# Altium PCB PCB1.PcbDoc (part 2 of 2)
Units mm, origin at the board's own origin, x right, y up, seen from the top; angles counter-clockwise.
Board outline 105 x 90 mm, 6 copper layers (SIG TOP, GND1, PWR, SIG, GND2, SIG BOT), stack 1.597 mm thick; 124 components, 105 nets, 563 pads, 434 vias.
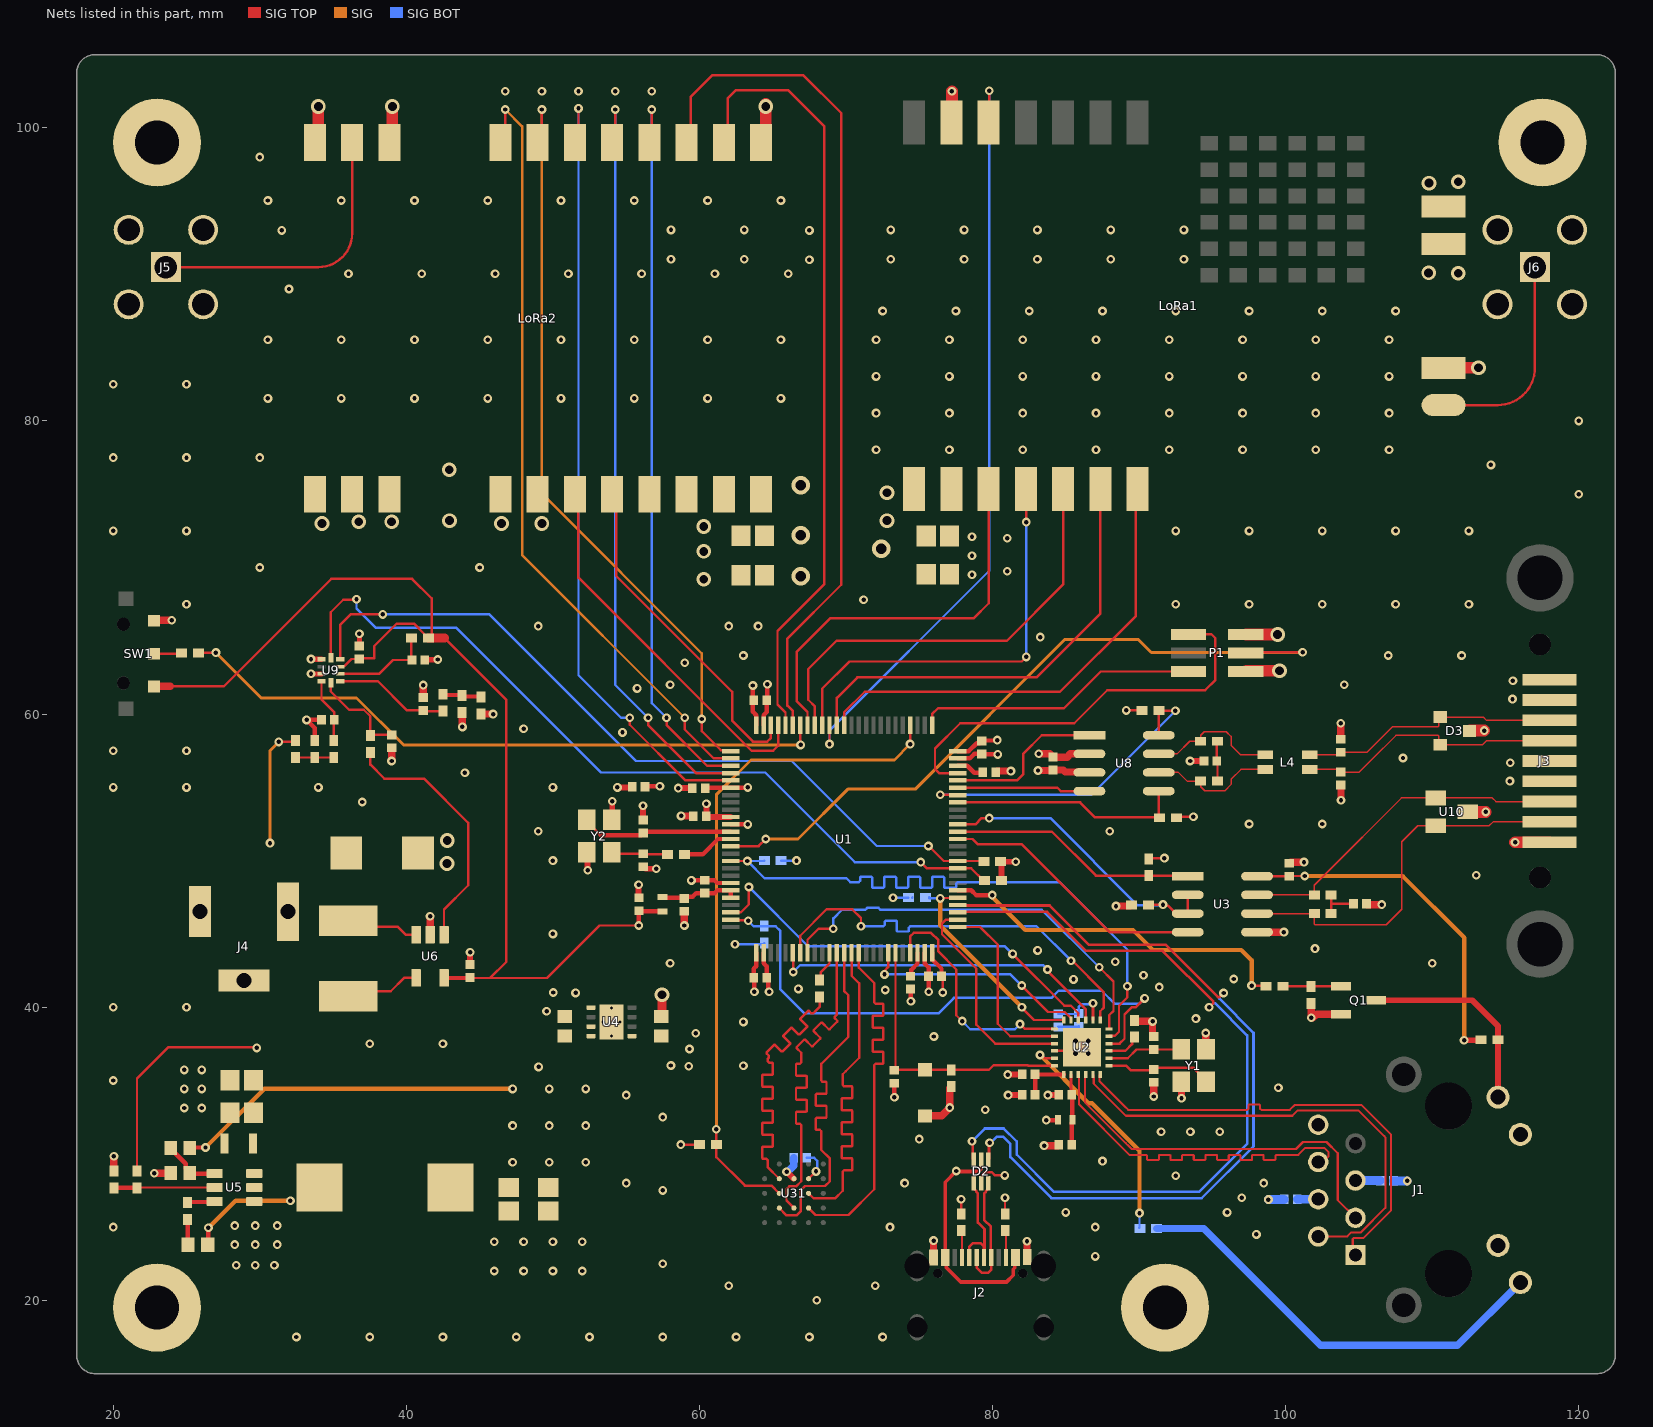
[diagram p6: the nets of this part, all layers, seen from the top]

## Via types
v1: diameter 0.6, hole 0.3, SIG TOP to SIG BOT, tented both sides, 385 vias
v2: diameter 1, hole 0.6, SIG TOP to SIG BOT, tented both sides, 25 vias
v3: diameter 0.6, hole 0.3, SIG TOP to SIG BOT, 12 vias
v4: diameter 1.27, hole 0.711, SIG TOP to SIG BOT, tented both sides, 4 vias
v5: diameter 0.625, hole 0.325, SIG TOP to SIG BOT, tented both sides, 4 vias
v6: diameter 0.5, hole 0.2, SIG TOP to SIG BOT, tented both sides, 4 vias

## Nets (pads, with @x,y where several pads share a name; then routed paths per layer and width w, separated by ;. In a path a pad name is that pad's centre, name@x,y a point inside that pad or via, vN(x,y) a via of type N, cw(c..) or ccw(c..) an arc to the next point about the centre after c; other vN are vias at no path point)
+3V3: C1.2 C2.2 C3.2 C4.2 C5.2 C6.2 C7.2 C11.2 C13.2 C14.2 C26.2 C34.2 C40.1 C44.1 C49.2 C50.2 D1.2 L1.1 L2.1 P1.2 R1.1 R2.1 R5.2 R7.2 R25.2 R31.2 R32.2 R33.2 R34.2 R35.2 R36.1 R38.2 SW1.3 U1.6 U1.11 U1.27 U1.50 U1.75 U1.100 U2.14 U3.8 U4.1 U6.5 U8.3 U9.8 U31.B4 | length 146.3
  SIG TOP w0.165: SW1.3@22.78,61.875 SW1.3@22.805,61.9 ; 23.9,61.9 27.55,61.9 34.875,69.225 40.4,69.225 41.725,67.9 41.725,65.408 R25.2@41.517,65.2 ; U9.8@35.488,63.24 35.53,63.283 35.783,63.283 36.26,63.76 C50.2@36.8,63.76 36.84,63.8 37.8,63.8 37.8,64.625 39.351,66.176 40.515,66.176 41.207,65.483 41.207,65.408 41.425,65.19 R25.2@41.5,65.19 ; 42.6,65.2 46.83,60.97 46.83,43.105 45.723,41.997 ; C34.2@44.35,42.035 44.39,41.995 49.595,41.995 53.175,45.575 v1(55.862,45.575) ; v1(58.725,30.625) R32.2@60,30.625 ; C5.2@60.39,54.95 C5.2@60.415,54.975 ; U31.B4@67.45,28.3 v1(67.95,28.8) ; C3.2@76.515,42.125 76.6,42.04 v1(76.6,41) ; v1(89.125,60.25) R38.2@90.2,60.25 ; R35.2@90.659,50.126 90.708,50.175 v1(91.725,50.175) ; R31.2@92.575,53 v1(93.7,53) ; U3.8@98.046,48.932 100.247,48.932 C40.1@100.25,48.935 100.265,48.95 v1(101.3,48.95) ; R36.1@113.3,37.75 R36.1@113.325,37.775
  SIG TOP w0.2: U2.14@86.85,39.127 v1(86.85,40.275)
  SIG TOP w0.3: U6.5@42.575,42 42.58,41.995 C34.2@44.35,41.995 ; v1(55.862,45.575) 55.862,46.573 C11.2@55.875,46.585 55.907,46.553 57.442,46.553 L1.1@57.475,46.52 ; C1.2@56.29,55.05 56.302,55.062 57.287,55.062 v1(57.3,55.075) ; C5.2@60.39,54.95 C5.2@60.42,54.92 ; C5.2@60.415,54.975 U1.6@62.125,54.975 63.275,54.975 v1(63.3,55) ; U1.11@62.125,52.475 v1(63.3,52.475) ; v1(63.65,61.95) 63.65,61.01 C7.2@63.71,60.95 63.65,60.89 63.65,60.15 63.875,59.925 U1.100@63.875,59.225 ; U1.27@64.375,43.725 64.375,43 64.59,42.785 C4.2@64.59,42 64.693,41.897 64.693,41.107 v1(64.75,41.05) ; U1.50@75.875,43.725 75.875,43.275 76.515,42.635 C3.2@76.515,42.125 ; U1.75@77.625,57.475 78.375,57.475 78.915,58.015 79.125,58.015 C6.2@79.275,58.165 79.305,58.195 80.295,58.195 v1(80.325,58.225) ; v1(83.658,32.3) 84.438,32.3 L2.1@84.455,32.317 ; P1.2@97.275,65.445 P1.2@97.285,65.435 ; v2@99.44,65.435 v2(99.45,65.425)
  SIG TOP w0.4: R34.2@80.55,49.95 R34.2@80.575,49.925 ; R33.2@80.6,48.65 80.6,49.9 R34.2@80.575,49.925 ; v1(81.575,49.925) R34.2@80.575,49.925 ; v1(112.175,37.75) R36.1@113.3,37.75
  SIG TOP w0.5: SW1.3@22.805,61.9 23.9,61.9 ; v1(58.75,53.05) C2.2@59.385,53.05 ; D1.2@75.383,32.582 75.402,32.6 76.525,32.6 v1(77.075,33.15) 77.075,34.473 R7.2@77.183,34.582 ; v1(83.1,56.15) 84.09,56.15 C44.1@84.125,56.185 84.815,56.185 84.955,56.045 86.581,56.045 U8.3@86.611,56.015
  SIG TOP w0.6: R25.2@41.517,65.2 42.6,65.2
  SIG TOP w0.8: P1.2@97.285,65.435 v2@99.44,65.435
  SIG w0.3: v1(101.3,48.95) 107.975,48.95 112.175,44.75 v1(112.175,37.75)
  SIG BOT w0.165: v1(62.425,44.3) 64.35,44.3 R1.1@64.425,44.375 ; R2.1@65.575,50 v1(66.625,50) ; C49.2@67.315,29.725 67.825,29.725 68.025,29.525 68.025,28.875 v1(67.95,28.8) ; v1(73.203,47.475) R5.2@74.247,47.475 ; R5.2@74.518,47.475 R5.2@74.535,47.492 ; C14.2@84.492,39.535 85.852,39.535 C13.2@85.892,39.575 85.892,40.042 86.042,40.192 86.767,40.192 v1(86.85,40.275)
  other v1: 59.275,35.975 58.05,36.025 59.325,37.15 59.75,38.225
+3V3A: C8.2 C12.2 L1.2 U1.20 U1.21 | length 5.4
  SIG TOP w0.3: L1.2@57.475,47.53 57.527,47.478 58.922,47.478 C12.2@58.975,47.425 59.089,47.539 59.534,47.539 59.78,47.785 C8.2@60.375,47.785 61.035,47.785 61.225,47.975 U1.20@62.125,47.975 U1.21@62.125,47.475
+3V3AN: C17.2 C18.2 L2.2 U2.2 | length 4.9
  SIG TOP w0.2: U2.2@85.35,35.407 85.35,34.067 C17.2@85.4,34.017
  SIG TOP w0.3: C18.2@85.4,30.617 85.4,32.127 85.465,32.192 L2.2@85.465,32.317 85.432,32.349 85.432,33.984 C17.2@85.4,34.017
+5V: C27.2 C32.2 C33.2 C45.2 C46.2 C47.2 C48.2 L3.2 LoRa1.2 LoRa2.9 LoRa2.10 R17.2 R23.1 U4.7 U4.8 | length 24.7
  SIG TOP w0.3: R17.2@25.225,30.4 25.25,30.425 v1(26.3,30.425) ; R23.1@45.1,60.002 R23.1@45.1,60.002 ; v1@45.924,60.001 v1(45.925,60) ; C47.2@77.125,69.5 C47.2@77.246,69.379
  SIG TOP w0.5: R23.1@45.1,60.002 v1@45.924,60.001
  SIG w0.3: v1(26.3,30.425) 30.3,34.425 v1(47.25,34.425)
  other v1: 47.25,29.425 49.75,29.425 52.25,29.425 47.25,31.925 49.75,31.925 52.25,31.925 49.75,34.425 52.25,34.425 49.025,35.925 78.6,69.5 78.6,70.8 78.6,72.1
  other v2: 60.3,69.2 60.3,71.1 60.3,72.8
ANT1: J6.1 LoRa1.11 | length 14.6
  SIG TOP w0.165: LoRa1.11@110.775,81.08 114.46,81.08 ccw(c114.46,83.62) 117,83.62 J6.1@117,90.5
ANT2: J5.1 LoRa2.21 | length 20.2
  SIG TOP w0.165: J5.1@23.6,90.5 34.01,90.5 ccw(c34.01,92.8) 36.31,92.8 LoRa2.21@36.31,99
B_CAP: C28.1 R14.1 | length 1.7
  SIG TOP w0.3: R14.1@25.075,25.525 25.075,23.825 C28.1@25.1,23.8
BOOT: R3.2 U1.94 | length 45
  SIG TOP w0.165: R3.2@25.825,64.175 25.842,64.192 v1(27.012,64.192) ; U1.94@66.875,59.225 66.887,59.213 66.887,57.913 v1(66.9,57.9)
  SIG w0.2: v1(27.012,64.192) 30.104,61.1 36.6,61.1 39.8,57.9 v1(66.9,57.9)
BS: R14.2 U5.6 | length 1.9
  SIG TOP w0.3: R14.2@25.075,26.675 25.113,26.712 26.888,26.712 U5.6@26.925,26.75
BUCK_EN: R16.1 R20.2 U5.5 | length 6.8
  SIG TOP w0.165: R16.1@21.625,27.675 21.65,27.7 U5.5@26.925,27.7
  SIG TOP w0.3: R20.2@20.125,27.675 R16.1@21.625,27.675
BUCK_FB: R17.1 R21.2 U5.4 | length 4
  SIG TOP w0.3: R17.1@23.925,30.4 23.925,30.35 24.95,29.325 24.95,28.975 R21.2@25.225,28.7 25.275,28.65 U5.4@26.925,28.65
BUCK_SW: C28.2 L3.1 U5.2 | length 7.5
  SIG TOP w0.3: C28.2@26.45,23.8 26.5,23.85 v1(26.5,24.95)
  SIG w0.3: v1(26.5,24.95) 28.35,26.8 v1(32.091,26.8)
CAN_D_N: C42.2 D3.2 J3.8 L4.3 | length 18.1
  SIG TOP w0.103: L4.3@101.65,56.225 103.565,56.225 C42.2@103.75,56.04 104.565,56.04 105.023,56.04 105.844,56.861 107.525,58.542 107.544,58.542 107.551,58.549 110.399,58.549 110.455,58.492 110.455,57.995 D3.2@110.55,57.9 113.422,57.9 113.707,58.185 J3.8@118,58.185
CAN_D_P: C43.2 D3.1 J3.4 L4.4 | length 17.8
  SIG TOP w0.103: L4.4@101.65,57.225 103.19,57.225 103.575,57.225 C43.2@103.75,57.4 105.55,57.4 105.6,57.45 107.301,59.151 110.399,59.151 110.455,59.208 110.455,59.705 D3.1@110.55,59.8 113.477,59.8 113.707,59.57 115.135,59.57 115.231,59.57 J3.4@118,59.57
CAN_N: L4.2 R30.1 U8.6 | length 8.8
  SIG TOP w0.103: U8.6@91.339,56.015 92.685,56.015 93.275,55.425 R30.1@94.2,55.425 94.206,55.419 94.206,55.044 94.475,54.775 95.85,54.775 96.277,55.202 96.277,55.552 96.95,56.225 97.941,56.225 L4.2@98.6,56.225
CAN_P: L4.1 R19.2 U8.7 | length 9.1
  SIG TOP w0.103: U8.7@91.339,57.285 92.585,57.285 93.45,58.15 R19.2@94.2,58.15 94.2,58.55 94.45,58.8 95.95,58.8 96.277,58.473 96.277,57.873 96.925,57.225 97.65,57.225 L4.1@98.6,57.225
CANFD_RX: U1.70 U8.4 | length 9.1
  SIG TOP w0.165: U1.70@77.625,54.975 84.425,54.975 84.655,54.745 U8.4@86.611,54.745
CANFD_SD: R31.1 U1.68 U8.5 | length 15.9
  SIG TOP w0.165: U1.68@77.625,53.975 85.975,53.975 87,52.95 91.375,52.95 91.425,53 91.339,53.086 U8.5@91.339,54.595
CANFD_SPLIT: C41.2 R19.1 R30.2 | length 2.8
  SIG TOP w0.165: R30.2@95.35,55.425 95.35,56.748 C41.2@95.298,56.801 95.298,58.098 R19.1@95.35,58.15
CANFD_STB: R38.1 U1.69 U8.8 | length 22.5
  SIG TOP w0.165: v1(76.425,54.5) 76.438,54.488 77.612,54.488 U1.69@77.625,54.475 ; U8.8@91.339,58.555 91.339,60.239 R38.1@91.35,60.25 91.375,60.225 v1(92.475,60.225)
  SIG BOT w0.165: v1(76.425,54.5) 86.75,54.5 v1(92.475,60.225)
CANFD_TX: U1.71 U8.1 | length 11.1
  SIG TOP w0.165: U1.71@77.625,55.475 81.675,55.475 82.1,55.9 82.1,57.3 83.355,58.555 U8.1@86.611,58.555
CLK: R18.2 U31.B2 | length 22.8
  SIG TOP w0.165: U31.B2@65.45,28.3 64.65,29.1 64.65,29.495 64.65,29.577 64.554,29.673 64.329,29.673 64.288,29.714 64.288,30.451 64.329,30.492 64.971,30.492 65.012,30.533 65.012,31.27 64.971,31.31 64.329,31.31 64.288,31.351 64.288,32.088 64.329,32.129 64.971,32.129 65.012,32.17 65.012,32.907 64.971,32.948 64.329,32.948 64.288,32.988 64.288,33.725 64.329,33.766 64.971,33.766 65.012,33.807 65.012,34.544 64.971,34.585 64.329,34.585 64.288,34.625 64.288,35.362 64.329,35.403 64.971,35.403 65.012,35.444 65.012,36.181 64.971,36.222 64.746,36.222 64.65,36.318 64.65,36.414 64.65,36.475 64.675,36.5 64.733,36.558 64.733,36.694 64.574,36.853 64.574,36.911 65.095,37.432 65.153,37.432 65.607,36.978 65.665,36.978 66.186,37.499 66.186,37.557 65.732,38.011 65.732,38.069 66.253,38.59 66.311,38.59 66.765,38.136 66.823,38.136 67.343,38.657 67.343,38.714 66.889,39.168 66.889,39.226 67.41,39.747 67.468,39.747 67.627,39.588 67.763,39.588 67.875,39.7 68.2,40.025 R18.2@68.2,40.7
DBG_SWCLK: P1.5 U1.76 | length 19.5
  SIG TOP w0.165: U1.76@75.875,59.225 75.875,60 76.275,60.4 84.875,60.4 87.38,62.905 P1.5@93.375,62.905
DBG_SWDIO: P1.1 U1.72 | length 28.9
  SIG TOP w0.165: U1.72@77.625,55.975 76.35,55.975 76.075,56.25 76.075,57.65 77.8,59.375 85.575,59.375 87.825,61.625 94.5,61.625 95.2,62.325 95.2,65.175 94.93,65.445 P1.1@93.375,65.445
ETH_PHY_CLK: U1.23 U2.16 | length 29.2
  SIG TOP w0.165: U1.23@62.125,46.475 62.825,46.475 63.375,47.025 v1(63.375,48.2) ; v1(81.364,43.636) 84.9,40.1 85.35,40.1 85.85,39.6 U2.16@85.85,39.127
  SIG BOT w0.165: v1(63.375,48.2) 67.425,44.15 80.85,44.15 v1(81.364,43.636)
ETH_PHY_CRSDV: U1.31 U2.15 | length 23.5
  SIG TOP w0.165: U1.31@66.375,43.725 66.387,43.713 66.387,42.413 v1(66.4,42.4) ; v1(83.75,42.575) 83.75,42.475 86.35,39.875 U2.15@86.35,39.127
  SIG BOT w0.165: v1(66.4,42.4) 66.875,42.875 83.45,42.875 v1(83.75,42.575)
ETH_PHY_INT: R5.1 U1.55 U2.18 | length 15
  SIG TOP w0.165: v1(76.425,47.425) 76.45,47.45 77.6,47.45 U1.55@77.625,47.475 ; v1(82,40) 82,39.95 82.823,39.127 U2.18@84.85,39.127
  SIG w0.3: v1(76.425,47.425) 76.425,45.575 v1(82,40)
  SIG BOT w0.165: R5.1@75.685,47.492 75.685,47.446 75.706,47.425 v1(76.425,47.425)
ETH_PHY_LED: J1.9 R4.1 | length 29.9
  SIG BOT w0.5: R4.1@91.2,24.9 94.4,24.9 102.375,16.925 111.725,16.925 J1.9@116.01,21.21
ETH_PHY_LED2: R37.2 U1.56 | length 24.8
  SIG TOP w0.165: v1(97.675,41.475) 98.6,41.475 R37.2@98.65,41.425
  SIG TOP w0.3: U1.56@77.625,47.975 78.55,47.975 78.875,47.65 v1(79.975,47.65)
  SIG w0.3: v1(79.975,47.65) 79.975,47.525 82.231,45.269 89.581,45.269 90.95,43.9 96.975,43.9 97.675,43.2 v1(97.675,41.475)
ETH_PHY_MDC: R2.2 U1.16 U2.11 | length 42.7
  SIG TOP w0.165: U1.16@62.125,49.975 v1(63.275,49.975) ; U2.11@87.96,38.017 87.993,38.049 88.349,38.049 88.625,38.325 88.625,40.1 89.2,40.675 v1(89.2,41.425)
  SIG BOT w0.165: R2.2@64.425,50 64.4,49.975 v1(63.275,49.975) 64.45,48.8 70.025,48.8 70.3,48.525 70.783,48.525 70.866,48.525 70.962,48.621 70.962,48.846 71.003,48.887 71.74,48.887 71.781,48.846 71.781,48.204 71.822,48.163 72.558,48.163 72.599,48.204 72.599,48.846 72.64,48.887 73.377,48.887 73.418,48.846 73.418,48.204 73.459,48.163 74.195,48.163 74.236,48.204 74.236,48.846 74.277,48.887 75.014,48.887 75.055,48.846 75.055,48.204 75.096,48.163 75.832,48.163 75.873,48.204 75.873,48.846 75.914,48.887 76.651,48.887 76.692,48.846 76.692,48.204 76.733,48.163 77.469,48.163 77.51,48.204 77.51,48.429 77.607,48.525 78.185,48.525 84.6,48.525 89.2,43.925 v1(89.2,41.425)
ETH_PHY_MDIO: R1.2 U1.24 U2.10 | length 39.1
  SIG TOP w0.165: U1.24@62.125,45.975 62.162,45.938 63.287,45.938 v1(63.325,45.9) ; U2.10@87.96,37.517 88.667,37.517 89,37.85 89,39.5 89.508,40.008 89.783,40.008 v1(90.375,40.6)
  SIG BOT w0.165: v1(63.325,45.9) 63.7,45.525 R1.2@64.425,45.525 65.2,45.525 65.5,45.225 65.5,41.25 67.175,39.575 76.3,39.575 77.361,40.636 84.011,40.636 84.5,41.125 87.45,41.125 88.348,40.227 90.002,40.227 v1(90.375,40.6)
ETH_PHY_NRST: C21.2 D1.1 R7.1 U1.45 U2.24 | length 19.1
  SIG TOP w0.165: C21.2@73.283,35.697 C21.2@73.318,35.732 ; U1.45@73.375,43.725 73.375,35.788 C21.2@73.318,35.732 ; U2.24@84.24,36.017 82.436,36.017 82.416,36.036 80.061,36.036 79.756,35.732 R7.1@77.183,35.732 75.383,35.732 C21.2@73.318,35.732
ETH_PHY_REXT: R6.2 U2.9 | length 2.3
  SIG TOP w0.165: U2.9@87.96,37.017 89.05,37.017 89.52,37.486 89.52,37.786 R6.2@89.692,37.958
ETH_PHY_RX_D_N: J1.6 U2.3 | length 25.7
  SIG TOP w0.141: U2.3@85.85,35.407 85.894,35.362 85.894,35.178 85.902,35.17 85.902,33.364 89.336,29.93 89.6,29.93 90.466,29.93 90.548,29.847 90.548,29.608 90.588,29.568 91.303,29.568 91.343,29.608 91.343,29.89 91.383,29.93 92.098,29.93 92.138,29.89 92.138,29.608 92.178,29.568 92.894,29.568 92.933,29.608 92.933,29.89 92.973,29.93 93.689,29.93 93.728,29.89 93.728,29.608 93.768,29.568 94.484,29.568 94.523,29.608 94.523,29.89 94.563,29.93 95.279,29.93 95.318,29.89 95.318,29.608 95.358,29.568 96.074,29.568 96.113,29.608 96.113,29.89 96.153,29.93 96.869,29.93 96.908,29.89 96.908,29.608 96.948,29.568 97.664,29.568 97.703,29.608 97.703,29.89 97.743,29.93 98.459,29.93 98.499,29.89 98.499,29.608 98.538,29.568 99.254,29.568 99.294,29.608 99.294,29.847 99.376,29.93 100.06,29.93 100.87,29.93 101.345,30.406 102.62,30.406 102.933,30.092 102.933,29.84 102.534,29.44 J1.6@102.22,29.44
ETH_PHY_RX_D_P: J1.3 U2.4 | length 25.9
  SIG TOP w0.141: U2.4@86.35,35.407 86.306,35.362 86.306,35.178 86.298,35.17 86.298,33.527 89.1,30.725 89.24,30.585 89.5,30.325 100.706,30.325 101.182,30.801 102.784,30.801 103.55,30.034 103.55,26.84 J1.3@104.76,25.63
ETH_PHY_RXD0: U1.32 U2.13 | length 28.5
  SIG TOP w0.165: U1.32@66.875,43.725 66.875,44.875 68.679,46.679 70.421,46.679 71.025,46.075 v1(71.025,45.525) ; v1(85.35,43.175) 85.434,43.175 87.575,41.034 87.575,39.95 87.35,39.725 U2.13@87.35,39.127
  SIG BOT w0.165: v1(71.025,45.525) 72.475,45.525 72.557,45.525 72.654,45.621 72.654,45.846 72.695,45.887 73.431,45.887 73.472,45.846 73.472,45.204 73.513,45.163 74.25,45.163 74.291,45.204 74.291,45.429 74.387,45.525 77.125,45.525 83,45.525 v1(85.35,43.175)
ETH_PHY_RXD1: U1.33 U2.12 | length 28.5
  SIG TOP w0.165: U1.33@67.375,43.725 67.375,44.6 68.125,45.35 v1(69.136,45.35) ; v1(87.275,42.725) 88.25,41.75 88.25,39.75 87.96,39.46 U2.12@87.96,38.517
  SIG BOT w0.165: v1(69.136,45.35) 69.136,46.061 69.725,46.65 71.25,46.65 71.332,46.65 71.429,46.746 71.429,46.754 71.47,46.795 72.206,46.795 72.247,46.754 72.247,46.746 72.344,46.65 73.8,46.65 83.35,46.65 v1(87.275,42.725)
ETH_PHY_RXDER: U1.44 U2.17 | length 15.7
  SIG TOP w0.165: v1(72.625,42.239) 72.625,42.482 72.875,42.732 U1.44@72.875,43.725 ; v1(81.985,41.481) 82.796,40.669 83.79,39.675 84.927,39.675 85.35,39.252 U2.17@85.35,39.127
  SIG BOT w0.165: v1(72.625,42.239) 81.227,42.239 v1(81.985,41.481)
ETH_PHY_TX_D_N: J1.2 U2.5 | length 32.6
  SIG TOP w0.141: U2.5@86.85,35.407 86.894,35.362 86.894,35.178 86.902,35.17 86.902,34.789 89.096,32.596 100.448,32.596 100.798,32.946 104.979,32.946 106.725,31.2 106.8,31.125 106.8,26.305 105.135,24.639 104.481,24.639 104.202,24.36 J1.2@102.22,24.36
ETH_PHY_TX_D_P: J1.1 U2.6 | length 32.5
  SIG TOP w0.141: U2.6@87.35,35.407 87.306,35.362 87.306,35.178 87.298,35.17 87.298,34.952 89.025,33.225 89.259,32.991 96.05,32.991 97.374,32.991 97.457,33.073 97.457,33.313 97.497,33.353 98.212,33.353 98.252,33.313 98.252,33.073 98.334,32.991 99.2,32.991 100.284,32.991 100.634,33.341 105.143,33.341 107.195,31.289 107.195,26.141 105.298,24.244 104.644,24.244 104.577,24.177 104.577,23.273 J1.1@104.76,23.09
ETH_PHY_TXD0: U1.51 U2.20 | length 12.9
  SIG TOP w0.165: U1.51@77.625,45.475 79.15,45.475 80.35,44.275 80.35,38.875 81.208,38.017 U2.20@84.24,38.017
ETH_PHY_TXD1: U1.52 U2.21 | length 14.9
  SIG TOP w0.165: U1.52@77.625,45.975 76.825,45.975 76.55,45.7 76.55,44.975 78.9,42.625 78.9,38.8 80.183,37.517 U2.21@84.24,37.517
ETH_PHY_TXEN: U1.47 U2.19 | length 16.4
  SIG TOP w0.165: U1.47@74.375,43.725 74.375,44.825 74.625,45.075 75.8,45.075 76.3,44.575 76.3,43.8 77.525,42.575 77.525,40.1 77.526,40.099 77.526,39.449 v1(77.925,39.05) ; v1(81.875,38.85) 82.208,38.517 U2.19@84.24,38.517
  SIG BOT w0.165: v1(77.925,39.05) 78.475,38.5 81.525,38.5 v1(81.875,38.85)
ETH_PHY_XI: C19.2 U2.8 Y1.1 | length 5.1
  SIG TOP w0.165: U2.8@87.96,36.517 89.225,36.517 89.825,37.117 C19.2@91.01,37.117 Y1.1@92.86,37.117
ETH_PHY_XO: C20.2 U2.7 Y1.3 | length 7.1
  SIG TOP w0.165: U2.7@87.96,36.017 89.108,36.017 89.417,35.708 90.962,35.708 91.109,35.856 93.721,35.856 Y1.3@94.56,35.017
GND: C1.1 C2.1 C3.1 C4.1 C5.1 C6.1 C7.1 C8.1 C9.1 C10.1 C11.1 C12.1 C13.1 C14.1 C15.1 C16.1 C17.1 C18.1 C19.1 C20.1 C21.1 C22.1 C23.1 C24.1 C25.1 C26.1 C27.1 C29.1 C30.1 C31.1 C32.1 C33.1 C34.1 C35.2 C36.1 C37.1 C38.1 C39.1 C40.2 C41.1 C42.1 C43.1 C44.2 C45.1 C46.1 C47.1 C48.1 C49.1 C50.1 D2.2 D3.3 D4.1 Designator31. Designator32. Designator33. Designator34. J1.8 J1.10 J1.11 J2.A1-B12 J2.B1-A12 J3.1 J3.3 J3.5 J3.7 J3.9 J4.2 J4.3 J5.2 J5.3 J5.4 J5.5 J6.2 J6.3 J6.4 J6.5 LoRa1.1 LoRa1.12 LoRa1.13 LoRa1.14 LoRa1.23 LoRa2.1 LoRa2.2 LoRa2.3 LoRa2.4 LoRa2.5 LoRa2.11 LoRa2.12 LoRa2.20 LoRa2.22 P1.6 Q1.2 R6.1 R8.1 R9.1 R15.2 R20.1 R21.1 R28.2 R29.2 R39.1 SW1.1 U1.10 U1.19 U1.26 U1.49 U1.74 U1.99 U2.22 U2.25 U3.5 U4.5 U4.9 U5.1 U6.2 U8.2 U9.1 U9.3 U10.3 U31.B3 Y1.2 Y1.4 Y2.2 Y2.4 | length 100
  SIG TOP w0.165: SW1.1@22.78,66.375 SW1.1@22.805,66.4 ; R21.1@23.9,28.675 R21.1@23.925,28.7 ; LoRa2.22@34,99.335 LoRa2.22@34.01,99.325 ; U9.3@34.205,62.732 U9.3@34.213,62.74 ; U9.1@34.208,63.745 U9.1@34.213,63.74 ; LoRa2.20@39.05,99.365 LoRa2.20@39.09,99.325 ; C38.1@41.125,61.155 C38.1@41.15,61.13 ; C37.1@41.265,63.69 C37.1@41.29,63.665 ; Y2.2@52.325,50.575 Y2.2@52.375,50.525 ; Y2.4@54.025,52.775 Y2.4@54.05,52.8 ; C1.1@55.36,55 C1.1@55.41,55.05 ; C11.1@55.85,47.49 C11.1@55.875,47.465 ; C24.1@56.15,52.79 C24.1@56.175,52.765 ; C25.1@56.175,49.585 C25.1@56.31,49.45 ; C26.1@57.4,39.375 C26.1@57.45,39.425 ; v1(65.95,28.775) v1@65.963,28.775 ; U31.B3@66.437,28.3 U31.B3@66.45,28.3 ; C21.1@73.283,34.817 C21.1@73.3,34.8 ; C10.1@74.4,41.235 C10.1@74.45,41.185 ; J2.A1-B12@75.965,22.93 J2.A1-B12@75.975,22.94 ; LoRa1.23@77.195,100.35 LoRa1.23@77.225,100.38 ; v1(77.85,26.9) 77.85,25.915 R8.1@77.865,25.9 ; D2.2@79.215,27.995 79.277,28.057 79.277,28.567 79.46,28.75 79.944,28.75 80.169,28.525 v1(80.825,28.525) ; C9.1@80.215,56.025 C9.1@80.301,56.111 ; v1(80.85,27) 80.85,25.915 R9.1@80.865,25.9 ; C15.1@82.003,34 C15.1@82.02,34.017 ; C16.1@82.003,35.4 C16.1@82.02,35.417 ; J2.B1-A12@82.35,22.965 J2.B1-A12@82.365,22.95 ; U2.22@84.24,37.017 84.621,37.017 84.629,37.025 85.475,37.025 v5(85.667,36.833) ; C18.1@84.462,30.558 C18.1@84.52,30.617 ; C17.1@84.503,34 C17.1@84.52,34.017 ; R15.2@89.4,46.9 R15.2@89.475,46.975 ; R6.1@89.692,39.108 R6.1@89.767,39.033 ; C19.1@90.917,38.09 C19.1@91.01,37.997 ; C20.1@90.992,34.858 C20.1@91.01,34.877 ; Y1.2@92.86,34.917 Y1.2@92.892,34.885 ; Y1.4@94.55,37.127 Y1.4@94.56,37.117 ; P1.6@97.275,62.905 P1.6@97.32,62.95 ; U3.5@98.046,45.122 U3.5@98.046,45.122 ; v1@99.873,45.123 v1(99.875,45.125) ; C40.2@100.25,49.815 C40.2@100.334,49.899 ; C42.1@103.75,55.16 C42.1@103.775,55.135 ; C35.2@105.505,47.05 C35.2@105.555,47 ; LoRa1.12@110.775,83.62 LoRa1.12@110.78,83.625 ; D3.3@112.55,58.85 D3.3@112.575,58.875 ; J3.1@117.99,51.25 J3.1@118,51.26
  SIG TOP w0.3: R29.2@33.75,58.19 33.75,59.05 v1(33.2,59.6) 34.195,59.6 C39.1@34.21,59.615 ; v1(59.45,48.65) 60.36,48.65 C8.1@60.375,48.665 60.39,48.65 61.025,48.65 61.2,48.475 U1.19@62.125,48.475 ; v1(63.75,41.05) 63.73,41.07 63.73,41.98 C4.1@63.71,42 63.71,42.635 63.875,42.8 U1.26@63.875,43.725 ; U1.99@64.375,59.225 64.375,59.925 64.59,60.14 C7.1@64.59,60.95 64.635,60.995 v1(64.635,62.035) ; v1(73.3,33.85) C21.1@73.3,34.8 ; v1(74.425,40.4) 74.412,40.413 74.412,41.147 C10.1@74.45,41.185 ; U1.49@75.375,43.725 75.375,42.975 75.635,42.715 C3.1@75.635,42.125 75.65,42.11 v1(75.65,41.05) ; U1.74@77.625,56.975 78.45,56.975 78.76,57.285 C6.1@79.275,57.285 79.31,57.25 v1(80.35,57.25)